# Altium PCB hand_logic.PcbDoc (part 1 of 4) (continued)
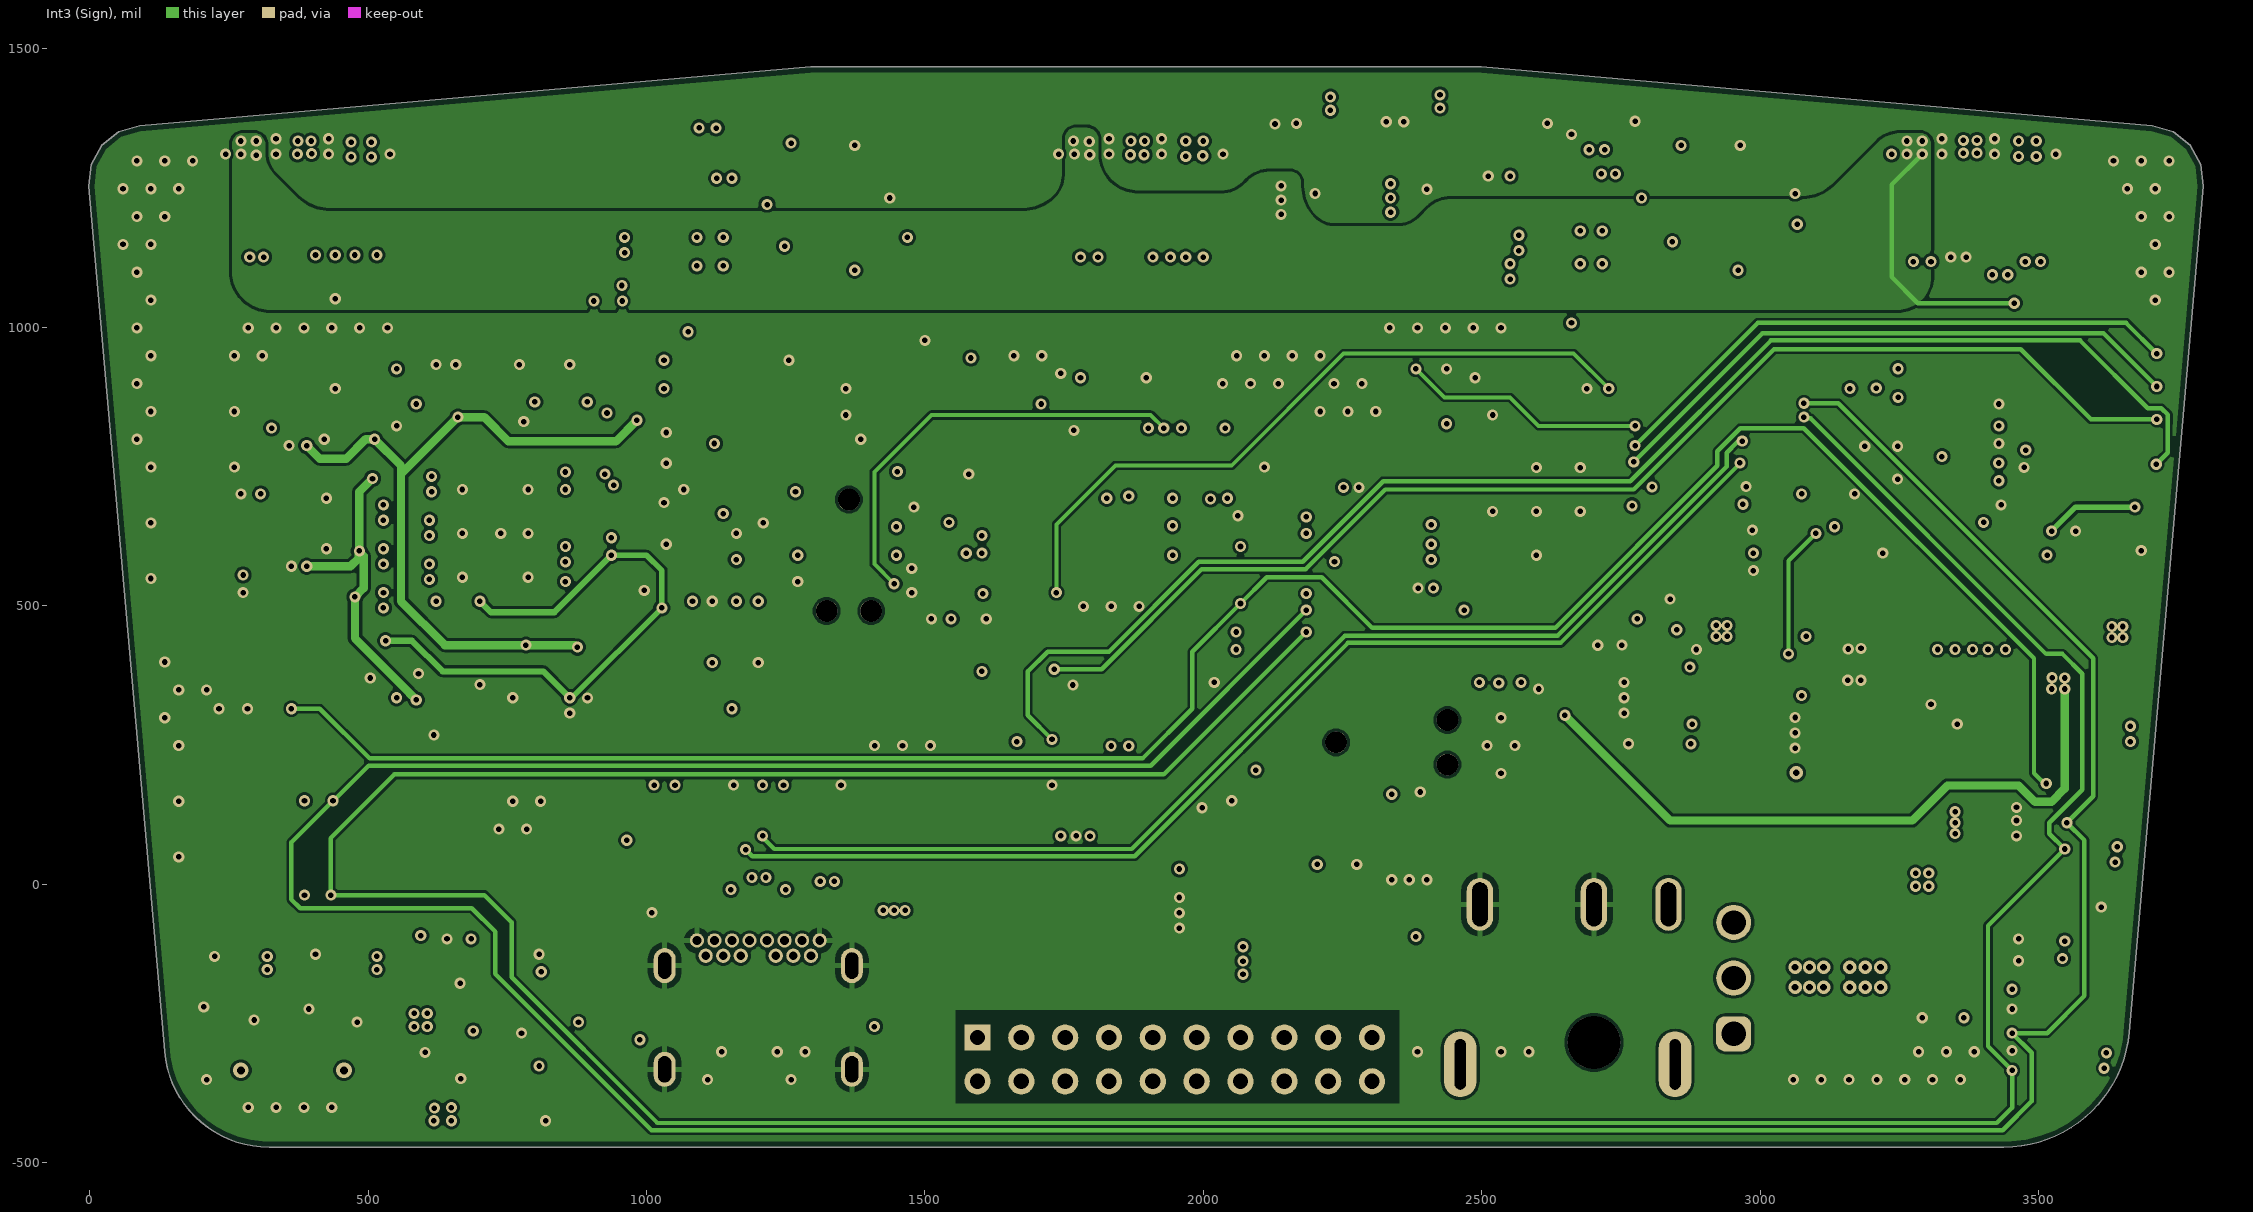
[diagram p4: Int3 (Sign)]
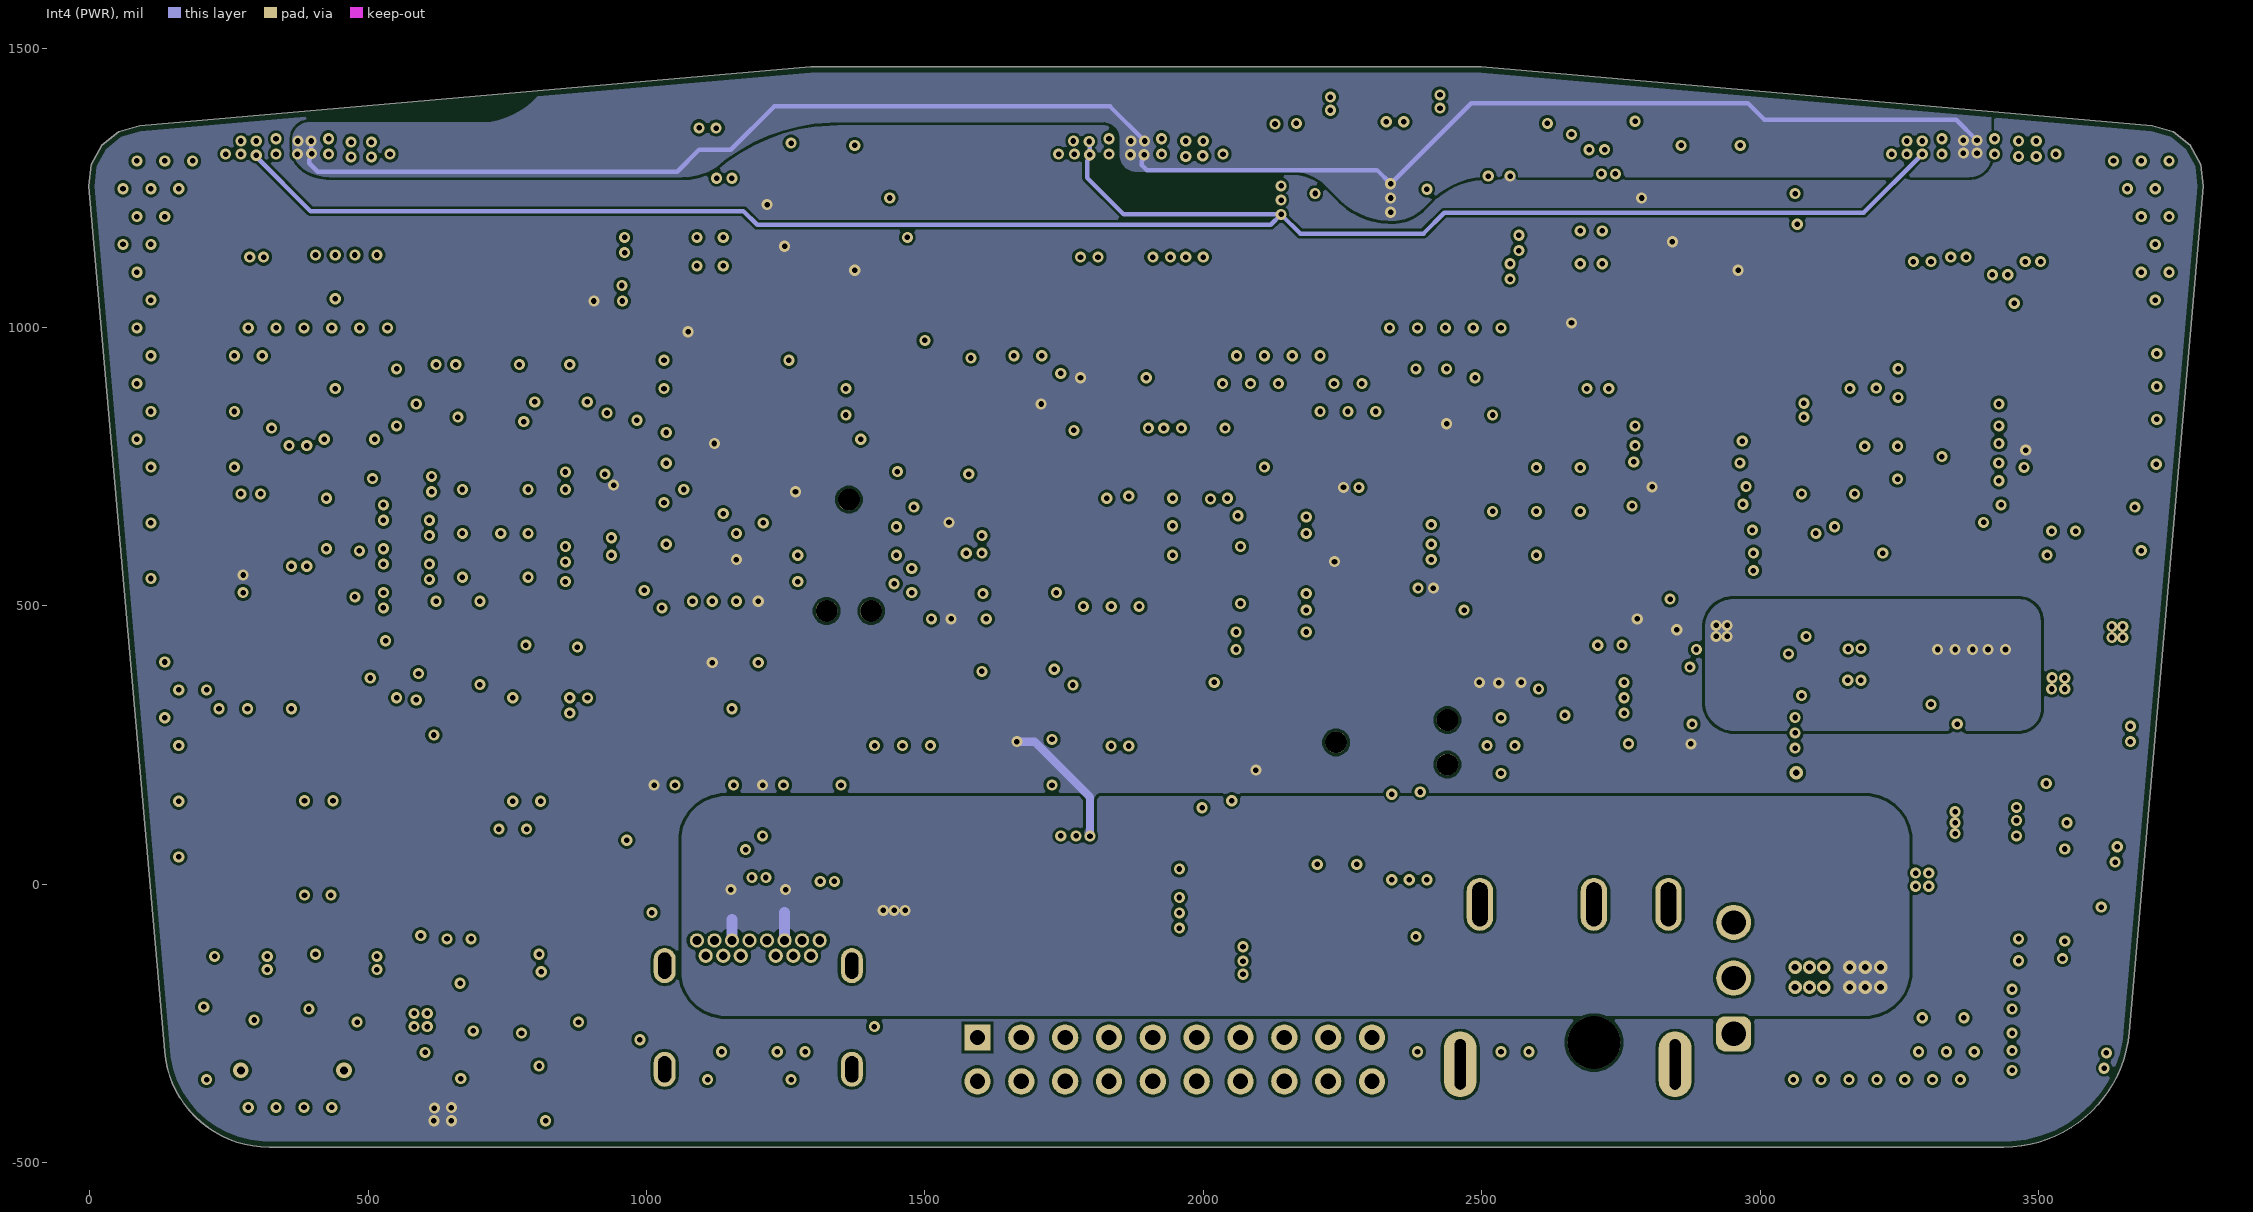
[diagram p5: Int4 (PWR)]
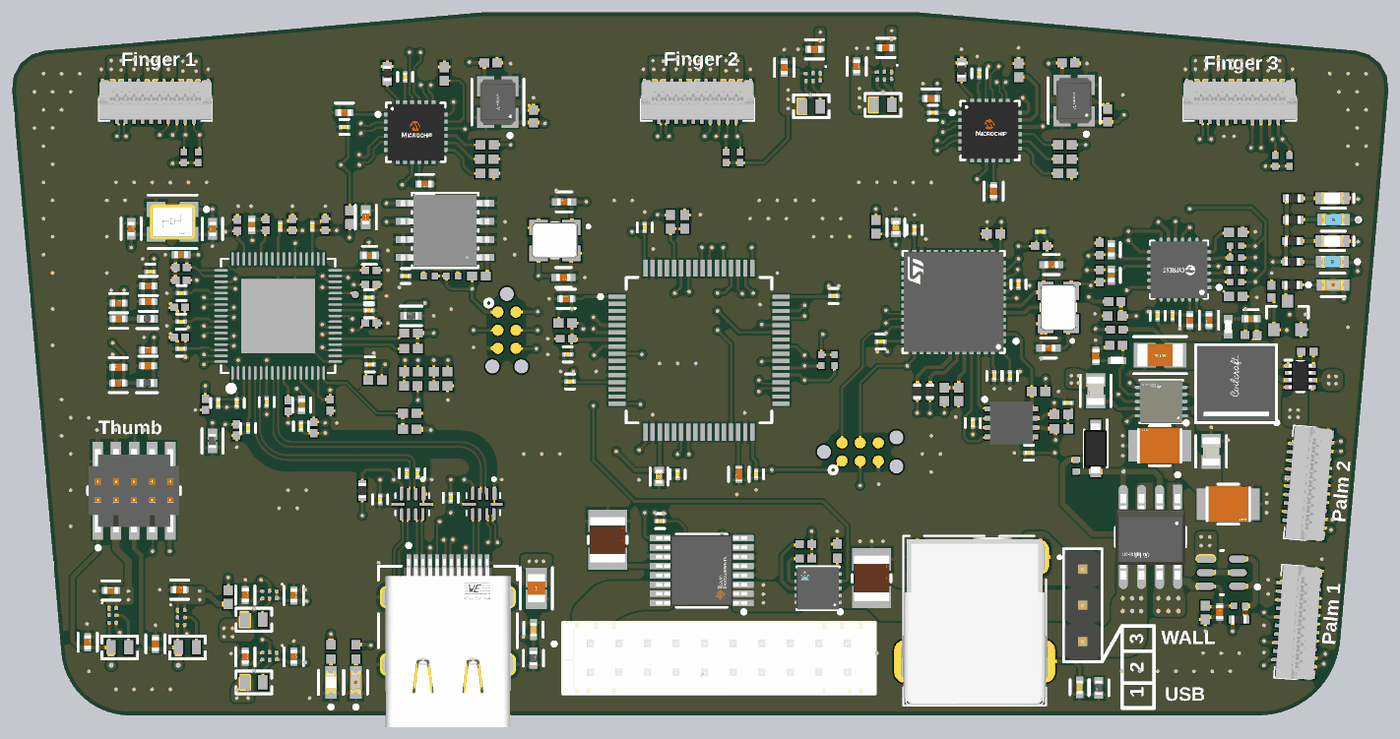
[diagram p9: 3D render of the assembled board from above, using the file's embedded part models]

## Layer stack, top to bottom
Top Solder: solder mask 1, SM-001, Dk 4
Top Layer: signal copper 1.378
Dielectric 1: prepreg 4.3307, PP-016, Dk 4.29
Int1 (GND): signal copper 1.378
Dielectric 3: core 23.622, Core-038, Dk 4.6
Int2 (Sign): signal copper 1.378
Dielectric 4: prepreg 3.937, PP-016, Dk 4.29
Dielectric 5: prepreg 3.937, PP-016, Dk 4.29
Int3 (Sign): signal copper 1.378
Dielectric 6: core 23.622, Core-038, Dk 4.6
Int4 (PWR): signal copper 1.378
Dielectric 8: prepreg 4.3307, PP-016, Dk 4.29
Bottom Layer: signal copper 1.378
Bottom Solder: solder mask 1, SM-001, Dk 4

## Board outline
322.15,-472.44 3437.69,-472.44 ccw(c3437.69,-246.27) 3663,-265.98 3795.9,1253.62 3791.65,1292.56 3772.83,1326.89 3742.28,1351.42 3704.65,1362.36 2499.57,1467.8 1294.84,1467.8 89.72,1362.36 52.13,1351.42 21.57,1326.89 2.72,1292.56 -1.54,1253.62 134.4,-300.4 ccw(c322.15,-283.97)

## Design rules (kind name [scope] priority, off if disabled: settings)
BoardOutlineClearance [All] p1: gap=10 ignorepadtopadclearanceinfootprint=FALSE
Clearance Clearance_2 [IsVia and InNet('5V_FINGER') vs InPolygon] p1: gap=10 ignorepadtopadclearanceinfootprint=FALSE
Clearance Clearance_1 [InDifferentialPairClass('USB_3') vs InNamedPolygon('gnd_pour')] p2: gap=30 ignorepadtopadclearanceinfootprint=FALSE
Clearance [All] p3: gap=5 ignorepadtopadclearanceinfootprint=FALSE
DiffPairsRouting [All] p1: maxlimit=10 minlimit=6 mostfreqgap=8 toplayer_minwidth=5 toplayer_maxwidth=6 toplayer_prefwidth=5 midlayer1_minwidth=5 midlayer1_maxwidth=6 midlayer1_prefwidth=5 midlayer2_minwidth=5 midlayer2_maxwidth=6 midlayer2_prefwidth=5 midlayer3_minwidth=5 midlayer3_maxwidth=6 midlayer3_prefwidth=5 midlayer4_minwidth=5 midlayer4_maxwidth=6 midlayer4_prefwidth=5 bottomlayer_minwidth=5 bottomlayer_maxwidth=6 bottomlayer_prefwidth=5 maxuncoupledlength=500
HoleSize [All] p1: absolutevalues=TRUE maxlimit=100 minlimit=10 maxpercent=80.000 minpercent=20.000
HoleToHoleClearance [All] p1: gap=9 allowstackedmicrovias=TRUE
PlaneClearance [All] p1: clearance=10
PlaneConnect [All] p1: planeconnectstyle=Direct reliefexpansion=20 reliefentries=4 reliefconductorwidth=10 reliefairgap=10
PolygonConnect PolygonConnect_2 [HasFootprint('SWITCHCRAFT_RAPC722S') OR HasFootprint('FP-632723300011-MFG')] p1: connectstyle=Relief reliefconductorwidth=10 reliefentries=4 polygonreliefangle="90 Angle" airgapwidth=10
PolygonConnect PolygonConnect_1 [OnLayer('Top Layer') vs InNet('GND')] p2: thpad.connectstyle=Direct thpad.reliefconductorwidth=10 thpad.reliefentries=4 thpad.polygonreliefangle="90 Angle" thpad.airgapwidth=10 smdpad.connectstyle=Relief smdpad.reliefconductorwidth=8 smdpad.reliefentries=4 smdpad.polygonreliefangle="90 Angle" smdpad.airgapwidth=8 via.connectstyle=Direct via.reliefconductorwidth=10 via.reliefentries=4 via.polygonreliefangle="90 Angle" via.airgapwidth=10
PolygonConnect [All] p3: connectstyle=Direct reliefconductorwidth=10 reliefentries=4 polygonreliefangle="90 Angle" airgapwidth=10
RoutingVias [All] p1: holewidth=10 width=20 viastyle="Through Hole" minholewidth=10 minwidth=20 maxholewidth=50 maxwidth=100
SolderMaskExpansion SolderMaskExpansion_1 [IsVia] p1: expansion=4 istentingtop=TRUE
SolderMaskExpansion [All] p2: expansion=4 istentingtop=FALSE
Width [All] p1: maxlimit=120 minlimit=5 preferedwidth=10
25 further rules are at their usual default settings.

## Classes and differential pairs
component class USB_PD_POWER: C117 C118 C119 C120 C121 C123 C124 L7 R5 R6 R7 R81 R82 R83 R87 U3 U22
component class USD_PD: C5 C10 C11 C12 C13 C114 C115 D8 Q1 Q2 Q3 R4 R10 R11 R58 R59 R73 R74 R75 R76 R77 R78 R79 R80 U4 Z1
component class THUMB_CONNECTOR: J6
differential pair class USB_3: USB_RX USB_TX
differential pair class USB_2: CAN_USB_D1 FINGER_1_USB FINGER_2_USB FINGER_3_USB FINGER_4_USB HX3_USB_D3 HX3_USB_D4 MCU_USB_HS_D2 USB_D
component class WALL_POWER: C14 C15 C16 C17 C18 C19 C20 C21 C112 J8 L1 L2 L3 L4 R60 U5 U6 U7 U8
component class USB_POWER: C53 C54 C55 C56 C57 C58 C59 C60 C61 C62 C63 C64 C65 C66 C67 C68 C69 C70 C71 C72 C73 C74 C75 C76 C77 C78 C79 C80 C81 C82 C83 C84 C85 C86 C87 C88 C89 C90 C91 C92 C93 C94 C95 C96 C97 FB3 FB4 L5 L6 R45 U16 U17
component class USB_HUB: C45 C46 C47 C125 R27 R28 R29 R30 R31 R32 R33 R34 R35 R84 R85 R86 U12 Y3
component class USB_HUB_SUPPORT: C52 D6 D7 R39 R40 R42 R43 R44 U15
component class USB_CONNECTOR: C1 C2 C3 C4 C6 C7 J5 R1 R2 R3 U1 U2
component class PALM_CONNECTOR: J4 J9 R56 R57
component class ISP_CONNECTORS: JP1 JP2
component class HAND_CAN_MCU: C22 C23 C24 C25 C26 C27 C28 C29 C30 C31 C32 C33 D2 D3 R12 R13 R14 R15 R16 R17 R18 R19 R20 R21 R70 R71 U9 U10 Y1
component class FINGER_USB_HUB: C98 C99 C100 C101 C102 C103 C104 C105 C106 C107 C108 C109 R46 R47 R48 R49 R50 R51 R52 R53 R54 R55 U18 U19 Y4 Y5
component class FINGER_MCU: C34 C35 C36 C37 C38 C39 C40 C41 C42 C43 C44 D4 D5 R22 R23 R24 R25 R26 R72 U11 Y2
component class FINGER_CONNECTORS: J1 J2 J3 R61 R62 R63 R64 R65 R66
component class ALLEGRO_CONNECTOR: C110 C111 C113 J7 P1 R67 R68 R69 U20 U21
differential pair FINGER_4_USB: +FINGER_4_USB_DP -FINGER_4_USB_DN
differential pair FINGER_3_USB: +FINGER_3_USB_DP -FINGER_3_USB_DN
differential pair FINGER_2_USB: +FINGER_2_USB_DP -FINGER_2_USB_DN
differential pair FINGER_1_USB: +FINGER_1_USB_DP -FINGER_1_USB_DN
differential pair USB_TX: +USB_TX_P -USB_TX_N
differential pair USB_TX2: +USB_TX2_P -USB_TX2_N
differential pair USB_TX1: +USB_TX1_P -USB_TX1_N
differential pair USB_RX: +USB_RX_P -USB_RX_N
differential pair USB_RX2: +USB_RX2_P -USB_RX2_N
differential pair USB_RX1: +USB_RX1_P -USB_RX1_N
differential pair USB_D: +USB_D_P -USB_D_N
differential pair MCU_USB_HS_D2: +MCU_USB_HS_D2_P -MCU_USB_HS_D2_N
differential pair HX3_USB_D4: +HX3_USB_D4_P -HX3_USB_D4_N
differential pair HX3_USB_D3: +HX3_USB_D3_P -HX3_USB_D3_N
differential pair CAN_USB_D1: +CAN_USB_D1_P -CAN_USB_D1_N
differential pair _USB_TX: +_USB_TX_P -_USB_TX_N

## Components (designator, comment, footprint, x,y, rotation, side; value= is the part's Value field where it differs from the comment)
C1 "0.1uF" FP-CC0201-BA-MFG 1013.78,123.43 r270 top value="100 nF"
C2 "0.1uF" FP-CC0201-BA-MFG 1117.13,195.28 r90 top value="100 nF"
C3 "0.1uF" FP-CC0201-BA-MFG 1087.6,194.88 r90 top value="100 nF"
C4 "4.7uF 50V" FP-C2012-125-0_2-IPC_B 1444.88,-122.05 r270 top
C5 "1uF 35V" FP-C1005-050-0_05-IPC_C 3330.71,-187.66 r270 top
C6 "0.1uF" FP-CC0201-BA-MFG 1208.66,127.95 r270 top value="100 nF"
C7 "47 nF" FP-CC0402-MFG 1437.01,-236.22 r270 top
C10 "1uF" FP-CL511-IPC_C 3301.18,618.25 r270 top
C11 "1uF" FP-CL511-IPC_C 3248.03,618.11 r270 top
C12 "0.1uF" FP-CC0201-BA-MFG 3159.45,630.51 r90 top value="100 nF"
C13 "0.1uF" FP-CC0201-BA-MFG 3200.79,630.51 r90 top value="100 nF"
C14 "4.7uF" FP-CL828-IPC_C 2128.94,1315.94 r90 top
C15 "4.7uF" FP-CL828-IPC_C 2328.74,1318.9 r90 top
C16 "4.7uF" FP-CL828-IPC_C 2212.6,1366.14 r180 top
C17 "4.7uF" FP-CL828-IPC_C 2409.45,1370.08 r180 top
C18 "4.7uF" FP-CL828-IPC_C 206.69,-270.81 r90 top
C19 "4.7uF" FP-CL828-IPC_C 393.7,-275.59 r90 top
C20 "4.7uF" FP-CL828-IPC_C 460.63,-125.98 r180 top
C21 "4.7uF" FP-CL828-IPC_C 270.81,-127.95 r180 top
C22 "0.1uF" FP-CC0201-BA-MFG 2395.08,559.06 r0 top value="100 nF"
C23 "0.1uF" FP-CC0201-BA-MFG 2488.19,867.52 r270 top value="100 nF"
C24 "0.1uF" FP-CC0201-BA-MFG 2708.66,464.57 r90 top value="100 nF"
C25 "0.1uF" FP-CC0201-BA-MFG 2775.59,717.72 r90 top value="100 nF"
C26 "0.1uF" FP-CC0201-BA-MFG 2751.97,464.57 r90 top value="100 nF"
C27 "10uF" FP-CL05A106MP5NUNC-MFG 2437.01,874.02 r90 top
C28 "22pF" FP-0402-L_1_0_1-W_0_5_0_1-MFG 2858.27,541.34 r180 top
C29 "22pF" FP-0402-L_1_0_1-W_0_5_0_1-MFG 2866.14,771.65 r0 top
C30 "0.1uF" FP-CC0201-BA-MFG 2836.02,862.2 r180 top value="100 nF"
C31 "0.1uF" FP-CC0201-BA-MFG 2649.61,334.65 r270 top value="100 nF"
C32 "0.1uF" FP-CC0201-BA-MFG 2804.53,251.97 r0 top value="100 nF"
C33 "0.1uF" FP-CC0201-BA-MFG 2912.01,389.76 r0 top value="100 nF"
C34 "22pF" FP-0402-L_1_0_1-W_0_5_0_1-MFG 1521.65,944.88 r180 top
C35 "22pF" FP-0402-L_1_0_1-W_0_5_0_1-MFG 1519.68,736.22 r0 top
C36 "0.1uF" FP-CC0201-BA-MFG 2051.18,192.91 r90 top value="100 nF"
C37 "0.1uF" FP-CC0201-BA-MFG 2265.16,685.04 r180 top value="100 nF"
C38 "0.1uF" FP-CC0201-BA-MFG 1744.09,874.02 r270 top value="100 nF"
C39 "0.1uF" FP-CC0201-BA-MFG 1537.99,448.82 r0 top value="100 nF"
C40 "0.1uF" FP-CC0201-BA-MFG 1834.65,192.91 r90 top value="100 nF"
C41 "0.1uF" FP-CC0201-BA-MFG 1531.5,523.62 r0 top value="100 nF"
C42 "10uF" FP-CL05A106MP5NUNC-MFG 1783.46,186.52 r270 top
C43 "1uF" FP-CL511-IPC_C 1527.56,677.17 r180 top
C44 "4.7uF" FP-C1005-050-0_15-MFG 2003.94,192.91 r270 top
C45 "0.1uF" FP-CC0201-BA-MFG 985.63,496.06 r180 top value="100 nF"
C46 "12pF" FP-0402-L_1_0_1-W_0_5_0_1-IPC_B 551.18,870.08 r270 top
C47 "12pF" FP-0402-L_1_0_1-W_0_5_0_1-IPC_B 326.77,870.69 r90 top
C52 "0.1uF" FP-CC0201-BA-MFG 1084.06,740.16 r180 top value="100 nF"
C53 "4.7uF" FP-CL828-IPC_C 641.73,-311.02 r90 top
C54 "4.7uF" FP-CL828-IPC_C 641.73,-140.89 r90 top
C55 "4.7uF" FP-CL828-IPC_C 775.59,-311.02 r90 top
C56 "4.7uF" FP-CL828-IPC_C 775.59,-141.73 r90 top
C57 "22uF" FP-CL05A226MQ5N6J8-IPC_C 292.18,622.05 r180 top
C58 "1uF" FP-CL511-IPC_C 292.18,665.35 r180 top
C59 "22uF" FP-CL05A226MQ5N6J8-IPC_C 374.02,669.29 r180 top
C60 "1uF" FP-CL511-IPC_C 374.02,712.6 r180 top
C61 "0.1uF" FP-CC0201-BA-MFG 379.33,751.97 r180 top value="100 nF"
C62 "22uF" FP-CL05A226MQ5N6J8-IPC_C 291.34,488.19 r180 top
C63 "1uF" FP-CL511-IPC_C 291.34,444.88 r180 top
C64 "22uF" FP-CL05A226MQ5N6J8-IPC_C 373.17,492.13 r180 top
C65 "1uF" FP-CL511-IPC_C 374.02,535.43 r180 top
C66 "0.1uF" FP-CC0201-BA-MFG 795.28,325.39 r270 top value="100 nF"
C67 "0.1uF" FP-CC0201-BA-MFG 982.87,645.67 r0 top value="100 nF"
C68 "0.1uF" FP-CC0201-BA-MFG 566.93,389.76 r270 top value="100 nF"
C69 "0.1uF" FP-CC0201-BA-MFG 618.11,389.76 r270 top value="100 nF"
C70 "0.1uF" FP-CC0201-BA-MFG 700.79,392.32 r270 top value="100 nF"
C71 "0.1uF" FP-CC0201-BA-MFG 826.77,876.57 r90 top value="100 nF"
C72 "0.1uF" FP-CC0201-BA-MFG 738.19,876.57 r90 top value="100 nF"
C73 "10000pF" CAPC1005X55X25LL05T10 620.08,880.32 r270 top
C74 "10000pF" CAPC1005X55X25LL05T10 862.2,881.89 r270 top
C75 "10000pF" CAPC1005X55X25LL05T10 830.71,321.46 r90 top
C76 "10000pF" CAPC1005X55X25LL05T10 771.65,881.89 r270 top
C77 "10000pF" CAPC1005X55X25LL05T10 988.58,610.24 r180 top
C78 "10000pF" CAPC1005X55X25LL05T10 531.5,385.83 r90 top
C79 "0.1uF" FP-CC0201-BA-MFG 649.61,320.28 r270 top value="100 nF"
C80 "0.1uF" FP-CC0201-BA-MFG 465.94,692.91 r180 top value="100 nF"
C81 "0.1uF" FP-CC0201-BA-MFG 464.57,614.17 r180 top value="100 nF"
C82 "0.1uF" FP-CC0201-BA-MFG 464.57,539.37 r180 top value="100 nF"
C83 "1000pF" FP-C0402-BB-MFG 797.24,383.86 r90 top value="1,000 pF"
C84 "1000pF" FP-C0402-BB-MFG 464.57,799.21 r0 top value="1,000 pF"
C85 "1000pF" FP-C0402-BB-MFG 659.45,881.89 r270 top value="1,000 pF"
C86 "1000pF" FP-C0402-BB-MFG 984.25,797.24 r180 top value="1,000 pF"
C87 "0.1uF" FP-CC0201-BA-MFG 982.87,681.1 r0 top value="100 nF"
C88 "10000pF" CAPC1005X55X25LL05T10 759.84,381.89 r90 top
C89 "10000pF" CAPC1005X55X25LL05T10 875.98,383.86 r90 top
C90 "10000pF" CAPC1005X55X25LL05T10 988.19,755.91 r180 top
C91 "10000pF" CAPC1005X55X25LL05T10 698.82,881.5 r270 top
C92 "10000pF" CAPC1005X55X25LL05T10 464.57,763.78 r0 top
C93 "10000pF" CAPC1005X55X25LL05T10 460.63,653.54 r0 top
C94 "10000pF" CAPC1005X55X25LL05T10 460.63,570.87 r0 top
C95 "10000pF" CAPC1005X55X25LL05T10 618.11,315.35 r90 top
C96 "10000pF" CAPC1005X55X25LL05T10 464.57,728.35 r0 top
C97 "10000pF" CAPC1005X55X25LL05T10 988.19,716.54 r180 top
C98 "0.1uF" FP-CC0201-BA-MFG 915.35,1151.57 r180 top value="100 nF"
C99 "1uF" FP-CL511-IPC_C 915.35,1190.94 r180 top
C100 "1uF" FP-CL511-IPC_C 1136.95,994.09 r0 top
C101 "0.1uF" FP-CC0201-BA-MFG 1082.68,1289.96 r90 top value="100 nF"
C102 "18pF" CAPC1005X55X25NL05T10 1437.01,1181.1 r270 top
C103 "18pF" CAPC1005X55X25NL05T10 1318.9,1328.74 r180 top
C104 "0.1uF" FP-CC0201-BA-MFG 2539.37,1190.94 r180 top value="100 nF"
C105 "1uF" FP-CL511-IPC_C 2534.59,1230.32 r180 top
C106 "1uF" FP-CL511-IPC_C 2706.69,974.41 r270 top
C107 "0.1uF" FP-CC0201-BA-MFG 2667.32,1299.8 r90 top value="100 nF"
C108 "18pF" CAPC1005X55X25NL05T10 3021.65,1183.46 r270 top
C109 "18pF" CAPC1005X55X25NL05T10 2913.39,1328.74 r180 top
C110 "4.7uF" FP-1210-L_3_2_0_3-W_2_5_0-IPC_B 1641.73,11.81 r90 top
C111 "0.1uF" FP-CC0201-BA-MFG 1786.53,63.5 r0 top value="100 nF"
C112 "47 nF" FP-CC0402-MFG 2944.47,-395.27 r270 top
C113 "4.7uF" FP-1210-L_3_2_0_3-W_2_5_0-IPC_B 2370.08,-94.49 r90 top
C114 "390pF" FP-C0402-BB-MFG 3031.5,812.99 r90 top value="390 pF"
C115 "390pF" FP-C0402-BB-MFG 3031.5,742.13 r270 top value="390 pF"
C117 "0.1uF 50V" FP-C0805C-DN-MFG 2988.19,423.23 r90 top value="0.10 μF"
C118 "10uF 50V" FP-C3225-250-0_4-MFG 3354.33,110.24 r0 top
C119 "10uF 50V" FP-C3225-250-0_4-MFG 3165.35,271.65 r180 top
C120 "0.1uF 50V" FP-C0805C-DN-MFG 3307.09,255.91 r90 top value="0.10 μF"
C121 "200pF" FP-C0402-BB-MFG 3417.32,622.05 r0 top value="200 pF"
C122 "47uF" FP-C3216-160-0_2-IPC_C 3166.29,521.65 r180 top
C123 "180pF" CAPC1005X55X25NL05T10 3045.28,549.21 r0 top
C124 "10nF" FP-GRM155-0_05-IPC_C 2989.17,519.69 r90 top
C125 "1.5uF" FP-C1005-050-0_05-IPC_A 974.41,902.56 r90 top
D2 "YELLOW" 0603_A 3641.73,954.72 r180 top
D3 "BLUE" FP-LTST-C191TBKT-MFG 3644.68,895.67 r180 top
D4 "YELLOW" 0603_A 3641.73,836.61 r180 top
D5 "BLUE" FP-LTST-C191TBKT-MFG 3641.73,779.53 r180 top
D6 "Green" FP-LTST-C190KGKT-MFG 877.95,-381.89 r90 top
D7 "Red" FP-LTST-C190KRKT-MFG 946.85,-381.89 r90 top
D8 "Red" FP-LTST-C190KRKT-MFG 3643.7,715.55 r0 top
FB3 "60 Ohms @ 100MHz" FP-BLM15-0_05-d0_7-IPC_B 371.2,622.05 r0 top
FB4 "60 Ohms @ 100MHz" FP-BLM15-0_05-d0_7-IPC_B 370.08,444.88 r0 top
J1 "503566-2102" 5035662102 393.7,1220.47 r180 top locked
J2 "503566-2102" 5035662102 1889.76,1220.47 r180 top locked
J3 "503566-2102" 5035662102 3385.83,1220.47 r180 top locked
J4 "503566-2102" 5035662102 3543.31,-216.54 r86 top locked
J5 "632723300011" FP-632723300011-MFG 1200.79,-285.43 r0 top locked
J6 "FTSH-105-01-F-DV-K-TR" FP-FTSH-105-01-F-DV-K-TR-MFG 334.65,147.64 r0 top
J7 "B20B-PHDSS(LF)(SN)" FP-B20B-PHDSS_LF_SN-MFG 1948.82,-314.96 r180 top locked
J8 "RAPC722S" SWITCHCRAFT_RAPC722S 2701.77,-284.45 r270 top locked
J9 "503566-2102" 5035662102 3572.83,167.32 r85 top locked
JP1 "TC2030-6-NL-FOOTPRINT" TAG_TC2030_NL_6 1363.58,690.55 r270 top
JP2 "TC2030-6-NL-FOOTPRINT" TAG_TC2030_NL_6 2238.58,254.53 r0 top
L1 "1uH" "IND 0603_1608 RF WW" 2203.74,1208.66 r180 top
L2 "1uH" "IND 0603_1608 RF WW" 2401.57,1212.6 r180 top
L3 "1uH" "IND 0603_1608 RF WW" 295.28,-285.43 r180 top
L4 "1uH" "IND 0603_1608 RF WW" 482.28,-285.43 r180 top
L5 "1uH" "IND 0603_1608 RF WW" 665.35,-381.89 r180 top
L6 "1uH" "IND 0603_1608 RF WW" 665.35,-208.66 r180 top
L7 "10uH 38mOhm" FP-XAL5050-MFG 3375.98,442.91 r90 top
P1 "61300311121" 61300311121 2952.76,-168.9 r90 top
Q1 "NTR4503NT1G" ONSC-SOT-23-3-318-08_V 3517.72,630.91 r90 top
Q2 "IRF9358TRPBF" FP-PG-DSO-8-IPC_A 3139.76,19.69 r270 top
Q3 "BSL308PE" INF-PG-TSOP-6_N 3336.61,-78.74 r180 top
R1 "5.1K" RESC1005X40X25NL05T10 3000,814.96 r270 top
R2 "5.1K" RESC1005X40X25NL05T10 3000,740.16 r90 top
R3 "1MOhm" FP-RMCF0402-MFG 1437.01,-314.96 r90 top
R4 "1K" RESC1005X40X25NL05T05 964.57,147.64 r90 top
R5 "150K" RESC1005X40X25NL10T10 3041.34,669.29 r180 top
R6 "66.5K" RESC1005X40X25ML05T05 3041.34,629.92 r0 top
R7 "100K" RESC1005X40X25NL05T10 3572.83,531.5 r0 top
R10 "1K" RESC1005X40X25NL05T05 3530.51,715.55 r0 top
R11 "100K" RESC1005X40X25NL05T10 3473.43,697.83 r270 top
R12 "4.7K" RESC1005X40X25LL05T05 2496.06,421.26 r270 top
R13 "4.7K" RESC1005X40X25LL05T05 2531.5,421.26 r270 top
R14 "1K" RESC1005X40X25NL05T05 3533.46,954.72 r0 top
R15 "1K" RESC1005X40X25NL05T05 3533.46,895.67 r0 top
R16 "DNP" RESC1005X40X25ML05T10 2570.87,413.39 r270 top
R17 "DNP" RESC1005X40X25NL05T10 2837.6,822.83 r180 top
R18 "10K" RESC1005X40X25ML05T10 2610.24,413.39 r90 top
R19 "10K" RESC1005X40X25ML05T10 2830.71,421.26 r0 top
R20 "DNP" RESC1005X40X25ML05T10 2893.7,358.27 r180 top
R21 "DNP" RESC1005X40X25ML05T10 2893.7,318.9 r0 top
R22 "1K" RESC1005X40X25NL05T05 3531.5,836.61 r0 top
R23 "1K" RESC1005X40X25NL05T05 3531.5,779.53 r0 top